# Altium PCB HRT_23D_EBS1.1.PcbDoc (part 1 of 2)
Units mil, origin at the board's own origin, x right, y up, seen from the top; angles counter-clockwise.
Board outline 4183.3 x 2955 mil, 2 copper layers (Top Layer, Bottom Layer); 109 components, 72 nets, 350 pads, 163 vias.
Unrouted connection lines stored in the file: 6.
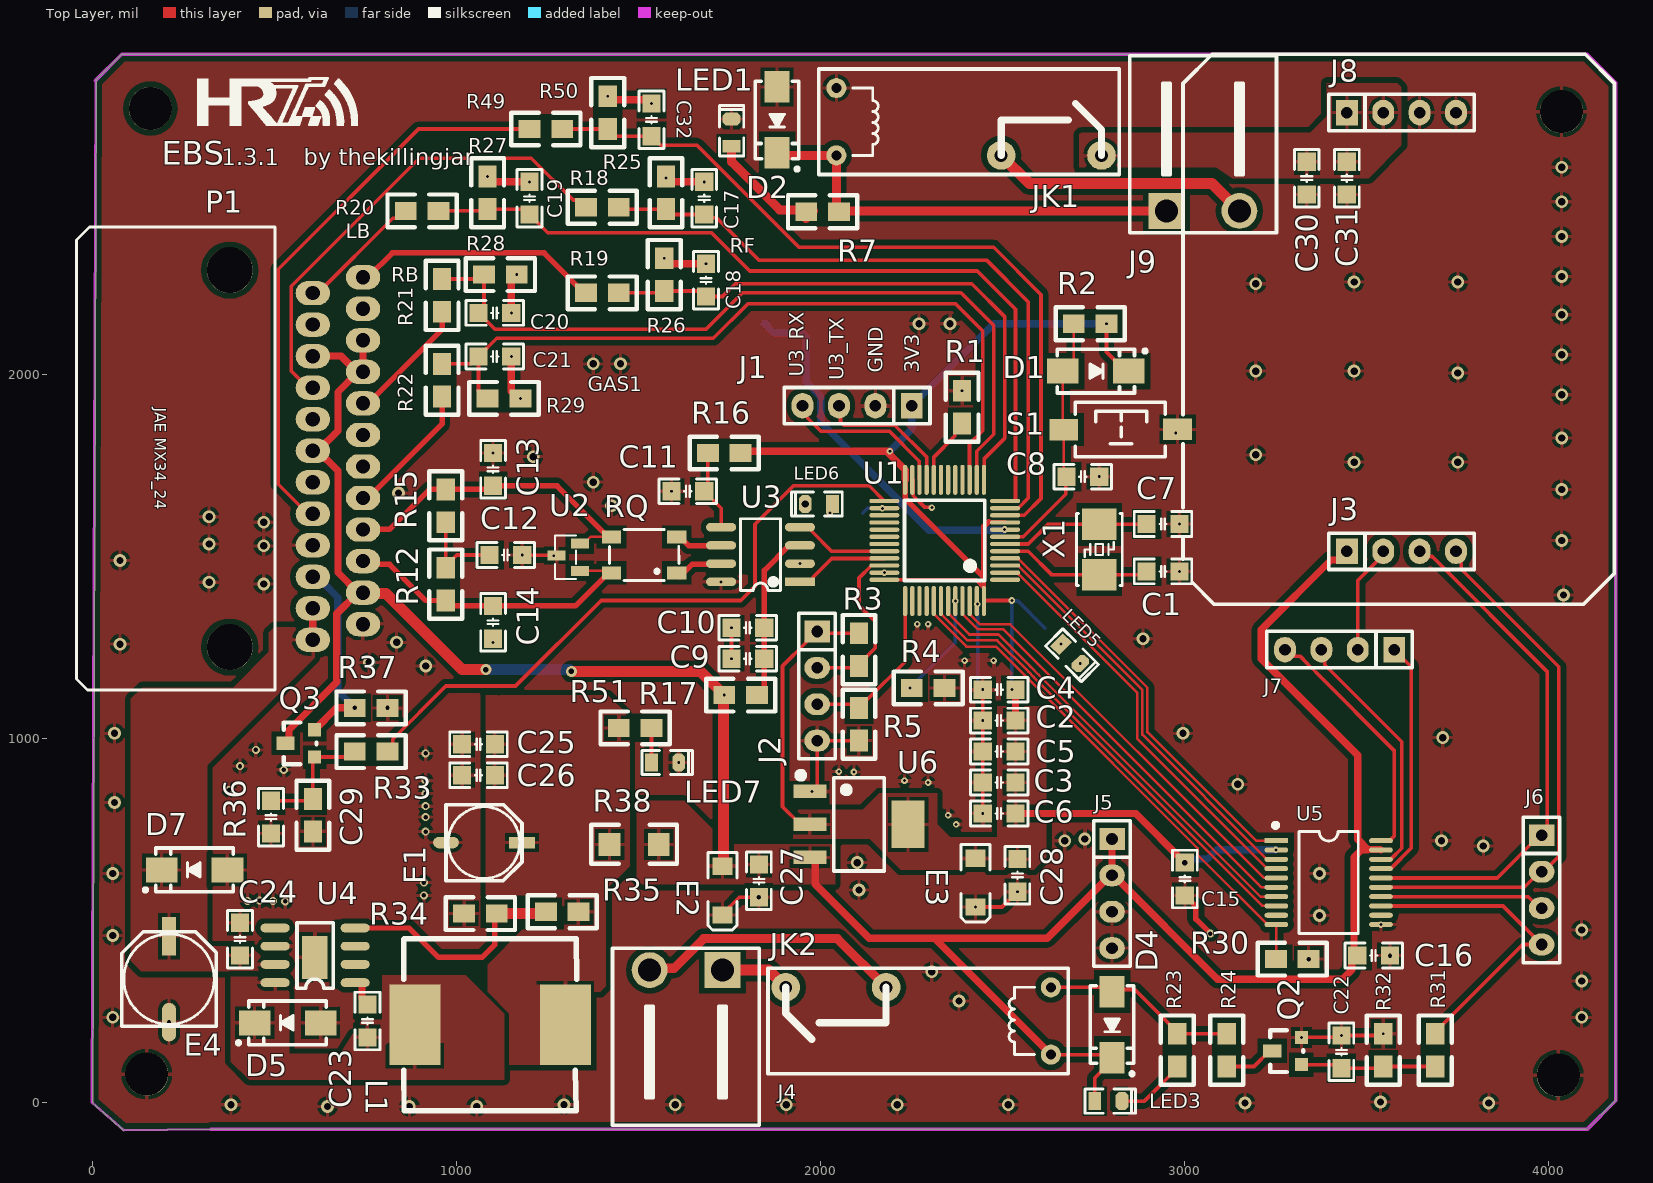
[diagram p0: Top Layer view]
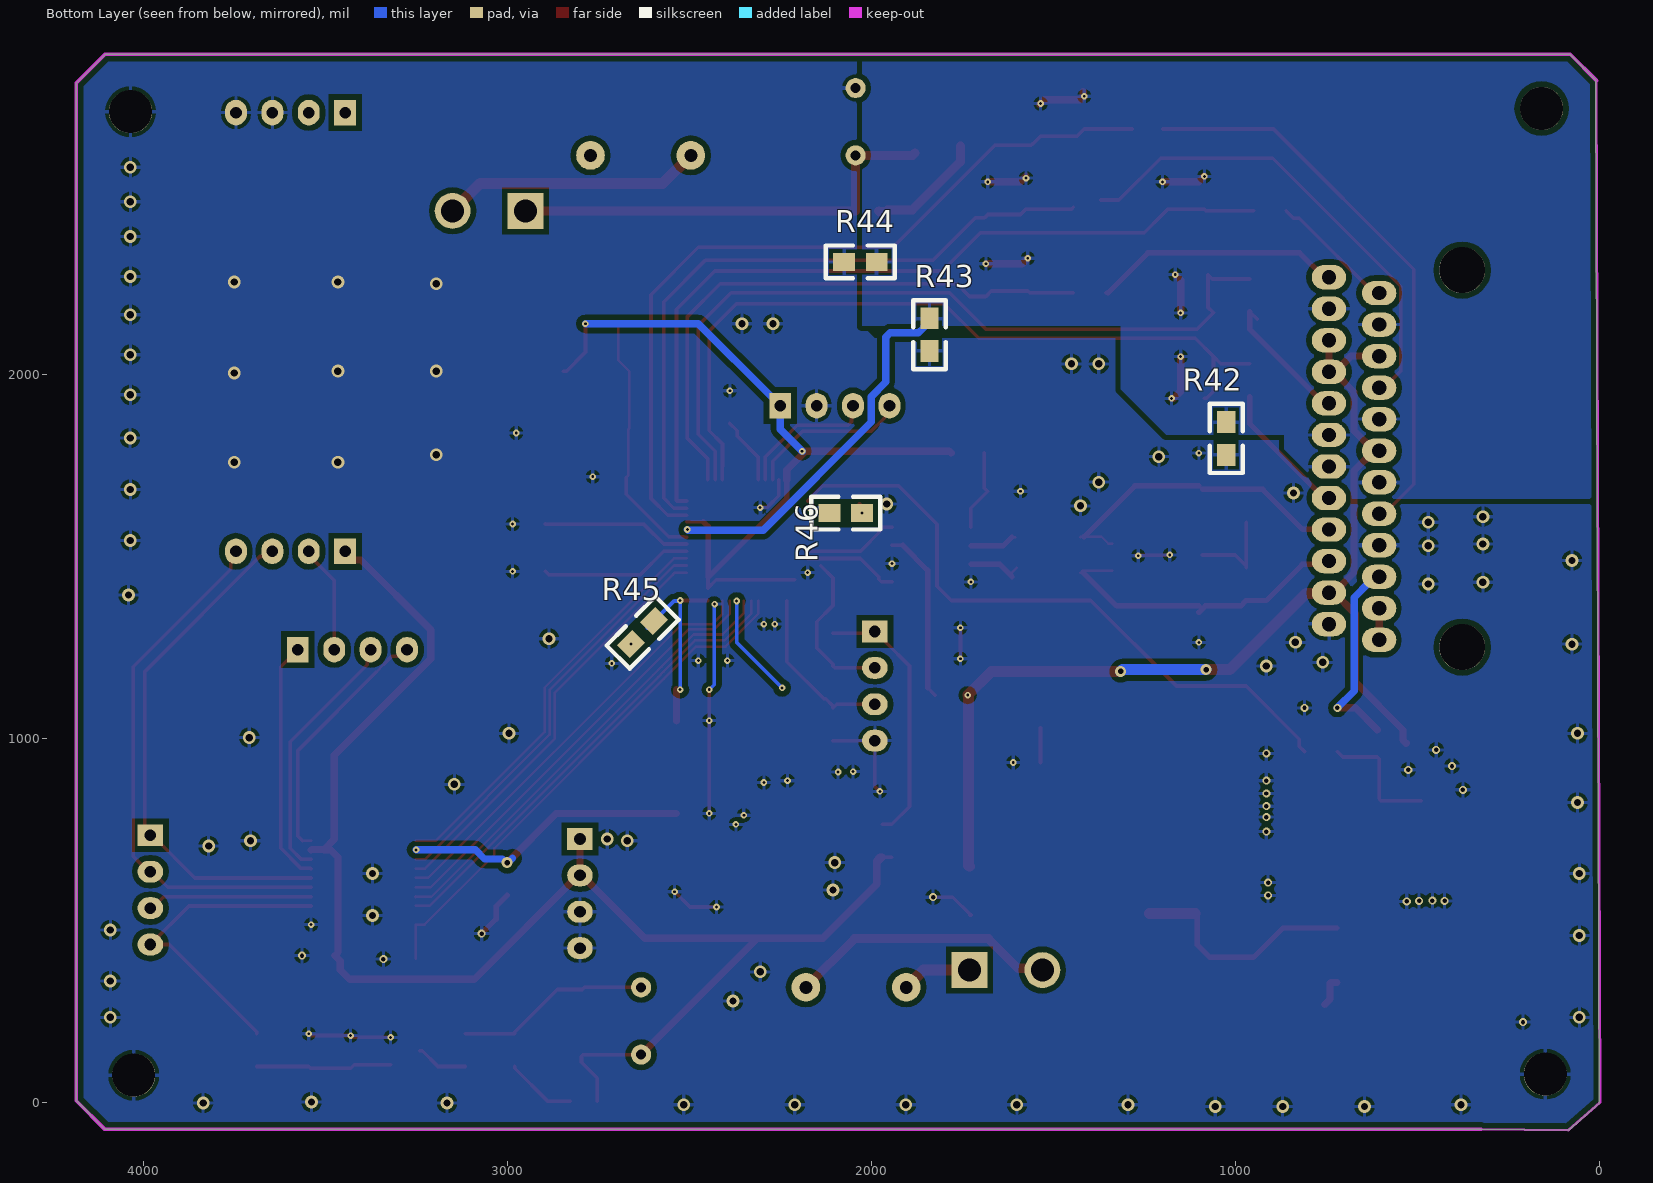
[diagram p1: Bottom Layer view, seen from below]

## Layer stack, top to bottom
Top Solder: solder mask 0.4, Solder Resist, Dk 3.5
Top Layer: signal copper 1.4
Dielectric 1: dielectric 12.6, FR-4, Dk 4.8
Bottom Layer: signal copper 1.4
Bottom Solder: solder mask 0.4, Solder Resist, Dk 3.5

## Board outline
0,0 85.04,-75 325.04,-72.76 4104.56,-72.76 4183.3,5.98 4183.3,2801.26 4104.56,2880 80.04,2880 10.04,2810

## Design rules (kind name [scope] priority, off if disabled: settings)
Clearance Clearance_10 [InNamedPolygon('GND_A_L02_P012')] p1: gap=10 ignorepadtopadclearanceinfootprint=FALSE except(0: Arc-Hole Track-Hole SMDPad-Hole THPad-Hole Via-Hole Fill-Hole Poly-Hole Region-Hole Text-Hole)
Clearance Clearance_9 [InNamedPolygon('GND_A_L02_P012')] p2: gap=10 ignorepadtopadclearanceinfootprint=FALSE except(0: Arc-Hole Track-Hole SMDPad-Hole THPad-Hole Via-Hole Fill-Hole Poly-Hole Region-Hole Text-Hole; 39.37: Arc-Fill Arc-Poly Arc-Region Track-Fill Track-Poly Track-Region)
Clearance Clearance_8 [InNamedPolygon('GND_A_L02_P012')] p3: gap=10 ignorepadtopadclearanceinfootprint=FALSE except(0: Arc-Fill Arc-Poly Arc-Region Arc-Hole Track-Fill Track-Poly Track-Region Track-Hole SMDPad-Hole THPad-Hole Via-Hole Fill-Fill Fill-Poly Fill-Region Fill-Hole Poly-Poly Poly-Region Poly-Hole Region-Region Region-Hole Text-Hole)
Clearance Clearance_7 [InNamedPolygon('VCC_5V_L01_P008')] p4: gap=10 ignorepadtopadclearanceinfootprint=FALSE except(0: Arc-Fill Arc-Poly Arc-Region Arc-Hole Track-Fill Track-Poly Track-Region Track-Hole SMDPad-Fill SMDPad-Poly SMDPad-Region SMDPad-Hole THPad-Fill THPad-Poly THPad-Region THPad-Hole Via-Fill Via-Poly Via-Region Via-Hole Fill-Hole Poly-Hole Region-Hole Text-Hole)
Clearance Clearance_6 [InNamedPolygon('VCC_3V3_L01_P009')] p5: gap=10 ignorepadtopadclearanceinfootprint=FALSE except(0: Arc-Fill Arc-Poly Arc-Region Arc-Hole Track-Fill Track-Poly Track-Region Track-Hole SMDPad-Fill SMDPad-Poly SMDPad-Region SMDPad-Hole THPad-Fill THPad-Poly THPad-Region THPad-Hole Via-Fill Via-Poly Via-Region Via-Hole Fill-Hole Poly-Hole Region-Hole Text-Hole)
Clearance Clearance_5 [InNamedPolygon('VCC_3V3_L01_P009')] p6: gap=10 ignorepadtopadclearanceinfootprint=FALSE except(0: Arc-Fill Arc-Poly Arc-Region Arc-Hole Track-Fill Track-Poly Track-Region Track-Hole SMDPad-Fill SMDPad-Poly SMDPad-Region SMDPad-Hole THPad-Fill THPad-Poly THPad-Region THPad-Hole Via-Fill Via-Poly Via-Region Via-Hole Fill-Hole Poly-Hole Region-Hole Text-Hole)
Clearance Clearance_4 [InNamedPolygon('VCC_3V3_L01_P009')] p7: gap=0 ignorepadtopadclearanceinfootprint=FALSE except(10: Arc-Arc Arc-Track Arc-SMDPad Arc-THPad Arc-Via Arc-Text Track-Track Track-SMDPad Track-THPad Track-Via Track-Text SMDPad-SMDPad SMDPad-THPad SMDPad-Via SMDPad-Text THPad-THPad THPad-Via THPad-Text Via-Via Via-Text Text-Text)
Clearance Clearance_3 [InNamedPolygon('VCC_5V_L01_P008')] p8: gap=0 ignorepadtopadclearanceinfootprint=FALSE except(10: Arc-Arc Arc-Track Arc-SMDPad Arc-THPad Arc-Via Arc-Text Track-Track Track-SMDPad Track-THPad Track-Via Track-Text SMDPad-SMDPad SMDPad-THPad SMDPad-Via SMDPad-Text THPad-THPad THPad-Via THPad-Text Via-Via Via-Text Text-Text)
Clearance Clearance_2 [InNamedPolygon('VCC_5V_L01_P008')] p9: gap=10 ignorepadtopadclearanceinfootprint=FALSE except(0: Arc-Fill Arc-Poly Arc-Region Arc-Hole Track-Fill Track-Poly Track-Region Track-Hole SMDPad-Fill SMDPad-Poly SMDPad-Region SMDPad-Hole THPad-Fill THPad-Poly THPad-Region THPad-Hole Via-Fill Via-Poly Via-Region Via-Hole Text-Hole)
Clearance Clearance_1 [InNamedPolygon('NONET_L-01_P-001')] p10: gap=10 ignorepadtopadclearanceinfootprint=FALSE except(0: Arc-Hole Track-Hole SMDPad-Hole THPad-Hole Via-Hole Fill-Hole Poly-Hole Region-Hole Text-Hole)
Clearance stm32 [InComponent('U1')] p11: gap=0 ignorepadtopadclearanceinfootprint=TRUE
Clearance [All] p12: gap=7 ignorepadtopadclearanceinfootprint=FALSE except(15: Arc-Poly Track-Poly SMDPad-Poly THPad-Poly Via-Poly Fill-Fill Fill-Poly Fill-Region Poly-Poly)
HoleSize [All] p1 off: absolutevalues=TRUE maxlimit=100 minlimit=1 maxpercent=80.000 minpercent=20.000
HoleToHoleClearance [All] p1 off: gap=10 allowstackedmicrovias=TRUE
MinimumSolderMaskSliver [All] p1 off: minsoldermaskwidth=10
PolygonConnect PolygonConnect_34 [All vs IsNamedPolygon('GND_L01_P005')] p1: connectstyle=Direct reliefconductorwidth=10 reliefentries=4 polygonreliefangle="90 Angle" airgapwidth=10
PolygonConnect PolygonConnect_33 [All vs IsNamedPolygon('GND_L01_P005')] p2: connectstyle=Direct reliefconductorwidth=10 reliefentries=4 polygonreliefangle="90 Angle" airgapwidth=10
PolygonConnect PolygonConnect_32 [All vs IsNamedPolygon('SOLENOID1_VSS_L01_P014')] p3: thpad.connectstyle=Direct thpad.reliefconductorwidth=10 thpad.reliefentries=4 thpad.polygonreliefangle="90 Angle" thpad.airgapwidth=10 smdpad.connectstyle=Relief smdpad.reliefconductorwidth=10 smdpad.reliefentries=4 smdpad.polygonreliefangle="90 Angle" smdpad.airgapwidth=10 via.connectstyle=Direct via.reliefconductorwidth=10 via.reliefentries=4 via.polygonreliefangle="90 Angle" via.airgapwidth=10
PolygonConnect PolygonConnect_31 [All vs IsNamedPolygon('SOLENOID1_VSS_L01_P014')] p4: connectstyle=Direct reliefconductorwidth=10 reliefentries=4 polygonreliefangle="90 Angle" airgapwidth=10
PolygonConnect PolygonConnect_30 [All vs IsNamedPolygon('SOLENOID1_VSS_L01_P014')] p5: thpad.connectstyle=Direct thpad.reliefconductorwidth=10 thpad.reliefentries=4 thpad.polygonreliefangle="90 Angle" thpad.airgapwidth=10 smdpad.connectstyle=Relief smdpad.reliefconductorwidth=10 smdpad.reliefentries=4 smdpad.polygonreliefangle="90 Angle" smdpad.airgapwidth=10 via.connectstyle=Relief via.reliefconductorwidth=10 via.reliefentries=4 via.polygonreliefangle="90 Angle" via.airgapwidth=10
PolygonConnect PolygonConnect_29 [All vs IsNamedPolygon('SOLENOID1_VSS_L01_P014')] p6: thpad.connectstyle=Relief thpad.reliefconductorwidth=10 thpad.reliefentries=4 thpad.polygonreliefangle="90 Angle" thpad.airgapwidth=10 smdpad.connectstyle=Relief smdpad.reliefconductorwidth=10 smdpad.reliefentries=4 smdpad.polygonreliefangle="90 Angle" smdpad.airgapwidth=10 via.connectstyle=Direct via.reliefconductorwidth=10 via.reliefentries=4 via.polygonreliefangle="90 Angle" via.airgapwidth=10
PolygonConnect PolygonConnect_28 [All vs IsNamedPolygon('GND_A_L02_P012')] p7: connectstyle=Direct reliefconductorwidth=10 reliefentries=4 polygonreliefangle="90 Angle" airgapwidth=10
PolygonConnect PolygonConnect_27 [All vs IsNamedPolygon('SOLENOID1_VSS_L01_P005')] p8: connectstyle=Relief reliefconductorwidth=10 reliefentries=4 polygonreliefangle="90 Angle" airgapwidth=10
PolygonConnect PolygonConnect_26 [All vs IsNamedPolygon('SOLENOID1_VSS_L01_P005')] p9: connectstyle=Direct reliefconductorwidth=10 reliefentries=4 polygonreliefangle="90 Angle" airgapwidth=10
PolygonConnect PolygonConnect_25 [All vs IsNamedPolygon('NONET_L-01_P-001')] p10: connectstyle=Direct reliefconductorwidth=10 reliefentries=4 polygonreliefangle="90 Angle" airgapwidth=10
PolygonConnect PolygonConnect_24 [All vs IsNamedPolygon('NONET_L-01_P-001')] p11: connectstyle=Direct reliefconductorwidth=10 reliefentries=4 polygonreliefangle="90 Angle" airgapwidth=10
PolygonConnect PolygonConnect_23 [All vs IsNamedPolygon('NONET_L-01_P-001')] p12: thpad.connectstyle=Direct thpad.reliefconductorwidth=10 thpad.reliefentries=4 thpad.polygonreliefangle="90 Angle" thpad.airgapwidth=10 smdpad.connectstyle=Direct smdpad.reliefconductorwidth=10 smdpad.reliefentries=4 smdpad.polygonreliefangle="90 Angle" smdpad.airgapwidth=10 via.connectstyle=Relief via.reliefconductorwidth=10 via.reliefentries=4 via.polygonreliefangle="90 Angle" via.airgapwidth=10
PolygonConnect PolygonConnect_22 [All vs IsNamedPolygon('NONET_L-01_P-001')] p13: connectstyle=Direct reliefconductorwidth=10 reliefentries=4 polygonreliefangle="90 Angle" airgapwidth=10
PolygonConnect PolygonConnect_21 [All vs IsNamedPolygon('NONET_L-01_P-001')] p14: connectstyle=Direct reliefconductorwidth=10 reliefentries=4 polygonreliefangle="90 Angle" airgapwidth=10
PolygonConnect PolygonConnect_20 [All vs IsNamedPolygon('NONET_L-01_P-001')] p15: connectstyle=Direct reliefconductorwidth=10 reliefentries=4 polygonreliefangle="90 Angle" airgapwidth=10
PolygonConnect PolygonConnect_19 [All vs IsNamedPolygon('NONET_L-01_P-001')] p16: connectstyle=Direct reliefconductorwidth=10 reliefentries=4 polygonreliefangle="90 Angle" airgapwidth=10
PolygonConnect PolygonConnect_18 [All vs IsNamedPolygon('GND_A_L02_P012')] p17: connectstyle=Direct reliefconductorwidth=10 reliefentries=4 polygonreliefangle="90 Angle" airgapwidth=10
PolygonConnect PolygonConnect_17 [All vs IsNamedPolygon('GND_A_L02_P012')] p18: thpad.connectstyle=Direct thpad.reliefconductorwidth=10 thpad.reliefentries=4 thpad.polygonreliefangle="90 Angle" thpad.airgapwidth=10 smdpad.connectstyle=Relief smdpad.reliefconductorwidth=10 smdpad.reliefentries=4 smdpad.polygonreliefangle="90 Angle" smdpad.airgapwidth=10 via.connectstyle=Relief via.reliefconductorwidth=10 via.reliefentries=4 via.polygonreliefangle="90 Angle" via.airgapwidth=10
PolygonConnect PolygonConnect_16 [All vs IsNamedPolygon('GND_A_L02_P012')] p19: connectstyle=Direct reliefconductorwidth=10 reliefentries=4 polygonreliefangle="90 Angle" airgapwidth=10
PolygonConnect PolygonConnect_15 [All vs IsNamedPolygon('GND_A_L02_P012')] p20: connectstyle=Direct reliefconductorwidth=10 reliefentries=4 polygonreliefangle="90 Angle" airgapwidth=10
PolygonConnect PolygonConnect_14 [All vs IsNamedPolygon('SOLENOID1_VSS_L02_P013')] p21: connectstyle=Direct reliefconductorwidth=10 reliefentries=4 polygonreliefangle="90 Angle" airgapwidth=10
PolygonConnect PolygonConnect_13 [All vs IsNamedPolygon('NONET_L01_P001') Or IsNamedPolygon('NETC23_2_L01_P002') Or IsNamedPolygon('NETC25_1_L01_P007') Or IsNamedPolygon('SOLENOID1_VSS_L01_P005') Or IsNamedPolygon('SOLENOID1_VSS_L01_P006') Or IsNamedPolygon('VCC_3V3_L01_P009') Or IsNamedPolygon('VCC_5V_L01_P008') Or IsNamedPolygon('VCC_24V_L01_P003')] p22: connectstyle=Direct reliefconductorwidth=10 reliefentries=4 polygonreliefangle="90 Angle" airgapwidth=10
PolygonConnect PolygonConnect_12 [All vs IsNamedPolygon('SOLENOID1_VSS_L01_P006')] p23: connectstyle=Direct reliefconductorwidth=10 reliefentries=4 polygonreliefangle="90 Angle" airgapwidth=10
PolygonConnect PolygonConnect_11 [All vs IsNamedPolygon('VCC_5V_L01_P008')] p24: connectstyle=Direct reliefconductorwidth=10 reliefentries=4 polygonreliefangle="90 Angle" airgapwidth=10
PolygonConnect PolygonConnect_10 [All vs IsNamedPolygon('VCC_3V3_L01_P009')] p25: connectstyle=Direct reliefconductorwidth=10 reliefentries=4 polygonreliefangle="90 Angle" airgapwidth=10
PolygonConnect PolygonConnect_9 [All vs IsNamedPolygon('SOLENOID1_VSS_L01_P005')] p26: connectstyle=Direct reliefconductorwidth=10 reliefentries=4 polygonreliefangle="90 Angle" airgapwidth=10
PolygonConnect PolygonConnect_8 [All vs IsNamedPolygon('GND_A_L02_P014')] p27: connectstyle=Direct reliefconductorwidth=10 reliefentries=4 polygonreliefangle="90 Angle" airgapwidth=10
PolygonConnect PolygonConnect_7 [All vs IsNamedPolygon('VCC_24V_L01_P003')] p28: connectstyle=Direct reliefconductorwidth=10 reliefentries=4 polygonreliefangle="90 Angle" airgapwidth=10
PolygonConnect PolygonConnect_6 [All vs IsNamedPolygon('VCC_24V_L01_P003')] p29: connectstyle=Relief reliefconductorwidth=10 reliefentries=4 polygonreliefangle="45 Angle" airgapwidth=5
PolygonConnect PolygonConnect_5 [All vs IsNamedPolygon('VCC_24V_L01_P003')] p30: thpad.connectstyle=Direct thpad.reliefconductorwidth=10 thpad.reliefentries=4 thpad.polygonreliefangle="90 Angle" thpad.airgapwidth=10 smdpad.connectstyle=Relief smdpad.reliefconductorwidth=10 smdpad.reliefentries=4 smdpad.polygonreliefangle="90 Angle" smdpad.airgapwidth=10 via.connectstyle=Relief via.reliefconductorwidth=10 via.reliefentries=4 via.polygonreliefangle="90 Angle" via.airgapwidth=10
PolygonConnect PolygonConnect_4 [All vs IsNamedPolygon('VCC_24V_L01_P003')] p31: connectstyle=Direct reliefconductorwidth=10 reliefentries=4 polygonreliefangle="90 Angle" airgapwidth=10
PolygonConnect PolygonConnect_3 [All vs IsNamedPolygon('VCC_24V_L01_P003')] p32: connectstyle=Relief reliefconductorwidth=10 reliefentries=4 polygonreliefangle="90 Angle" airgapwidth=10
PolygonConnect PolygonConnect_2 [All vs IsNamedPolygon('NONET_L01_P001')] p33: connectstyle=Relief reliefconductorwidth=10 reliefentries=4 polygonreliefangle="90 Angle" airgapwidth=10
PolygonConnect PolygonConnect_1 [All vs IsNamedPolygon('VCC_24V_L01_P003')] p34: connectstyle=Direct reliefconductorwidth=10 reliefentries=4 polygonreliefangle="90 Angle" airgapwidth=10
PolygonConnect [All] p35: connectstyle=Relief reliefconductorwidth=10 reliefentries=4 polygonreliefangle="90 Angle" airgapwidth=10
RoutingVias [All] p1: holewidth=8 width=18 viastyle="Through Hole" minholewidth=8 minwidth=18 maxholewidth=20 maxwidth=35
SilkToSilkClearance [All] p1 off: silktosilkclearance=10
SilkToSolderMaskClearance [IsPad] p1 off: minsilkscreentomaskgap=10 clearancetoexposedcopper=TRUE
SolderMaskExpansion [All] p1: expansion=4 istentingtop=FALSE
Width [All] p1: maxlimit=30 minlimit=7 preferedwidth=7
25 further rules are at their usual default settings.

## Components (designator, comment, footprint, x,y, rotation, side; value= is the part's Value field where it differs from the comment)
C1 "22pF" "C 0805_M" 2940.04,1460 r180 top
C2 "4.7uF" "C 0805_M" 2490.04,1050 r0 top
C3 "0.1uF" "C 0805_M" 2490.04,880 r0 top
C4 "0.1uF" "C 0805_M" 2490.04,1135 r0 top
C5 "0.1uF" "C 0805_M" 2490.04,965 r0 top
C6 "1uF" "C 0805_M" 2490.04,795.01 r0 top
C7 "22pF" "C 0805_M" 2940.04,1590 r180 top
C8 "0.1uF" "C 0805_M" 2720.04,1720 r180 top
C9 "0.1uF" "C 0805_M" 1800.04,1220 r0 top
C10 "10nF" "C 0805_M" 1800.04,1305 r0 top
C11 "0.1uF" "C 0805_M" 1635.04,1680 r0 top
C12 "4.7nF" "C 0805_M" 1135.04,1505 r180 top
C13 "47pF" "C 0805_M" 1100.03,1740.01 r90 top
C14 "47pF" "C 0805_M" 1100.04,1319.99 r270 top
C15 "0.1uF" "C 0805_M" 3000.04,615 r270 top
C16 "0.1uF" "C 0805_M" 3518.51,404.66 r0 top
C17 "0.1uF" "C 0805_M" 1680,2485 r90 top
C18 "0.1uF" "C 0805_M" 1685.04,2260 r90 top
C19 "0.1uF" "C 0805_M" 1200.03,2485.01 r90 top
C20 "0.1uF" "C 0805_M" 1105.04,2170 r0 top
C21 "0.1uF" "C 0805_M" 1105.04,2050.01 r0 top
C22 "0.1uF" "C 0805_M" 3430.04,140 r90 top
C23 "0.01uF" "C 0805_M" 755.04,224.99 r270 top
C24 "10nF" "C 0805_M" 404.99,450.01 r90 top
C25 "0.1uF" "C 0805_M" 1060,985 r180 top
C26 "1uF" "C 0805_M" 1060,900 r180 top
C27 "0.1uF" "C 0805_M" 1830.04,610 r270 top
C28 "0.1uF" "C 0805_M" 2540.04,625 r270 top
C29 "0.1uF" "C 0805_M" 490.04,785 r270 top
C30 "0.1uF" "C 0805_M" 3335.01,2539.99 r270 top
C31 "1uF" "C 0805_M" 3445,2540 r270 top
C32 "0.1uF" "C 0805_M" 1535,2700 r90 top
D1 "SS14" SMA 2755.59,2010 r0 top
D2 "SS14" SMA 1880,2700 r270 top
D4 "SS14" SMA 2800.04,215 r270 top
D5 "SS34" SMA 535.59,220 r180 top
D7 "SS14" SMA 280,640 r180 top
E1 "100uF/10V" "CM C(5*5.4)" 1075.04,715 r0 top
E2 "10uF/6.3V" "CD A(3216)" 1730.04,583.07 r90 top
E3 "10uF/6.3V" "CD A(3216)" 2425.04,605 r90 top
E4 "100uF/35V" "CM D(6.3*7.7)" 210,340 r90 top
J1 "Pin HDR1X4" "PIN HDR1X4/2.54MM-S" 2250.04,1915 r270 top
J2 "Pin HDR1X4" "PIN HDR1X4/2.54MM-S" 1990.04,1295 r0 top
J3 "Pin HDR1X4" FE-HDR1X4/2.54-S 3445,1515 r90 top
J4 "KF2EDGK-2P" KF2EDGK5.08W-2P 1730.04,365 r180 top
J5 "Pin HDR1X4" FE-HDR1X4/2.54-S 2800.04,725 r0 top
J6 "Pin HDR1X4" FE-HDR1X4/2.54-S 3980.04,735 r0 top
J7 "Pin HDR1X4" FE-HDR1X4/2.54-S 3575.04,1245 r270 top
J8 "Pin HDR1X4" FE-HDR1X4/2.54-S 3445,2720 r90 top
J9 "KF2EDGK-2P" KF2EDGK5.08W-2P 2950,2450 r0 top
JK1 "HF46F/24-HS1" HF46-XX-HS1 2405,2695 r0 top
JK2 "HF46F/5-HS1" HF46-XX-HS1 2270.04,225 r180 top
L1 "10uH" "SMD 12*12*8MM" 885.04,215 r0 top
LED1 "红色" "LED 0805R" 1755,2665 r90 top
LED3 "绿色" "LED 0805G" 2790.04,5 r0 top
LED5 "白色" "LED 0805W" 2686.45,1233.55 r315 top
LED6 "黄色" "LED 0805Y" 1995,1645 r180 top
LED7 "白色" "LED 0805W" 1572.6,935 r0 top
P1 "JAE_MX340_24" "JAE_MX34_2.2_24 - DUPLICATE" 605.04,2224.45 r0 top
Q2 "NPN" SOT-23 3285.04,140 r90 top
Q3 "NPN" SOT-23 575.04,985 r90 top
R1 "10K" 0805R 2388.35,1956 r270 top
R2 "20K" 0805R 2695.04,2140 r0 top
R3 "10K" 0805R 2105.04,1200 r90 top
R4 "10K" 0805R 2105.04,995 r90 top
R5 "10K" 0805R 2340.04,1140 r180 top
R7 "10K" 0805R 1960,2447.86 r0 top
R12 "60R" 0805R 970.04,1470 r270 top
R15 "60R" 0805R 970.04,1685 r270 top
R16 "0R" 0805R 1780.04,1785 r180 top
R17 "0R" 0805R 1735.04,1120 r0 top
R18 "20K" 0805R 1445,2460 r180 top
R19 "20K" 0805R 1445.04,2225 r180 top
R20 "20K" 0805R 950.04,2450 r180 top
R21 "20K" 0805R 960.04,2263.01 r270 top
R22 "6K8" 0805R 960.04,2030 r270 top
R23 "1K" 0805R 2979.04,100 r90 top
R24 "0R" 0805R 3115.04,190 r270 top
R25 "30K" 0805R 1575,2545 r270 top
R26 "30K" 0805R 1570.04,2320 r270 top
R27 "30K" 0805R 1085.04,2545 r270 top
R28 "30K" 0805R 1165.04,2275 r180 top
R29 "3K3" 0805R 1175.04,1935 r180 top
R30 "10K" 0805R 3340.04,395 r180 top
R31 "3K3" 0805R 3688.04,100 r90 top
R32 "1K" 0805R 3545.04,190 r270 top
R33 "2K2" 0805R 720.04,965 r0 top
R34 "3.24K" 0805R 1020.04,520 r0 top
R35 "10K" 0805R 1245.04,525 r0 top
R36 "1K" 0805R 605.04,745 r90 top
R37 "100R" 0805R 810.04,1085 r180 top
R38 "0R" 1206R 1555.04,710 r180 top
R42 "0R" 0805R 1025.04,1780 r90 bottom
R43 "0R" 0805R 1840,2065 r90 bottom
R44 "0R" 0805R 2075.04,2310 r180 bottom
R45 "1K" 0805R 2660,1260 r135 bottom
R46 "1K" 0805R 2025,1620 r0 bottom
R49 "6K8" 0805R 1290,2675 r180 top
R50 "3K3" 0805R 1415,2765 r270 top
R51 "1K" 0805R 1535,1030 r180 top
RQ "ACT45B" 4532 1515.04,1505 r180 top
S1 "SWITCH" "TSW SMD-3*6*2.5" 2825.04,1850 r0 top
U1 "STM32F103C8T6" "LQFP48 7X7" 2340.04,1545 r90 top
U2 "NUP2105LT1G" SOT-23-3P 1259.52,1498.8 r90 top
U3 "TJA1042T/3" SOP8 1942.97,1431.22 r180 top
U4 "TPS5430" SOP8-PAD 720.04,330 r180 top
U5 "TXS0108E" SSOP20 3395.04,605 r0 top
U6 "AMS1117-3V3" SOT223_M 2105.04,765 r270 top
X1 "8MHz" "OSC 5032-2P" 2765.04,1520 r90 top

## Footprints (in the part's own frame and the unit in brackets; to place one, negate y for a bottom-side part, rotate by r counter-clockwise, add the part's x,y. Pads: shape width x height; smd on the part's side, far side on the other; paste and mask are expansions set on the pad)
0805R [mil]
  rect 60x50 smd: 1(0,0) 2(90,0)
  silkscreen extent -50,-45 140,45, body extent 1,-25 80,25, height 15
1206R [mil]
  rect 60x62.99 smd: 1(0,0) 2(135,0)
  silkscreen extent -50,-54 185,53, body extent 7,-31 133,31, height 24
4532 [mm] "ACT45B封装"
  rect 1.35x0.9 smd: 1(-2.275,1.25) 2(-2.275,-1.25) 3(2.275,-1.25) 4(2.275,1.25)
  silkscreen extent -2.42,-1.78 2.41,1.78, body extent -2.25,-1.65 2.25,1.53, height 2.56
"C 0805_M" [mil] "无极性贴片电容"
  rect 50x50 smd: 1(-45.01,-0.01) 2(45,0)
  silkscreen extent -79,-34 79,34, body extent -39,-24 39,24, height 20
"CD A(3216)" [mm] "长3.2mm，宽1.6mm，厚1.6mm"
  rect 1.2x1.4 smd: 1(-1.7,0) 2(1.7,0)
  silkscreen extent -2.74,-1.02 2.67,1.02, body extent -1.6,-0.8 1.6,0.8, height 1.6
"CM C(5*5.4)" [mm] "贴片电解电容，直径5mm，高5.4mm"
  rect 1.8x0.8 smd: 1(2.65,0)
  oval 1.8x0.8 smd: 2(-2.65,0)
  silkscreen extent -2.65,-2.65 2.65,2.65, body extent -2.95,-2.65 2.95,2.65, height 5.4
"CM D(6.3*7.7)" [mm] "贴片电解电容，直径6.3mm，高7.7mm"
  rect 2.7x1 smd: 1(3,0)
  oval 2.7x1 smd: 2(-3,0)
  silkscreen extent -3.3,-3.3 3.3,3.3, body extent -3.5,-3.3 3.5,3.3, height 7.7
FE-HDR1X4/2.54-S [mil]
  rect 70x60 hole 32: 1(0,0)
  oval 70x60 hole 32: 2(0,-100) 3(0,-200) 4(0,-300)
  silkscreen extent -50,-350 50,50, body extent -44,-355 54,55, height 335
HF46-XX-HS1 [mm] "一组常开，长：20.5mm，宽：7mm，高：15.3mm"
  round 1.4 hole 0.7: 1(-9.2,2.35) 2(-9.2,-2.35)
  round 2 hole 0.9: 3(2.3,-2.35) 4(9.3,-2.35)
  silkscreen extent -10.41,-3.68 10.54,3.68, body extent -10.25,-3.5 10.25,3.5, height 15.3
"JAE_MX34_2.2_24 - DUPLICATE" [mm]
  oval 2.4x1.7 hole 1: 1(3.5,-23.1) 1(3.5,-23.1) 2(3.5,-20.9) 3(3.5,-18.7) 4(3.5,-16.5) 5(3.5,-14.3) 6(3.5,-12.1) 7(3.5,-9.9) 8(3.5,-7.7) 9(3.5,-5.5) 10(3.5,-3.3) 11(3.5,-1.1) 12(3.5,1.1) 13(0,-24.2) 13(0,-24.2) 14(0,-22) 15(0,-19.8) 16(0,-17.6) 17(0,-15.4) 18(0,-13.2) 19(0,-11) 20(0,-8.8) 21(0,-6.6) 22(0,-4.4) 23(0,-2.2) 24(0,0)
  round 3.2 hole 3.2 unplated: 25(-5.8,1.6) 26(-5.8,-24.7)
  silkscreen extent -16.5,-27.7 -2.65,4.6, body extent -22.88,-27.84 3.84,4.47, height 16.05
KF2EDGK5.08W-2P [mm]
  rect 2.5x2.5 hole 1.6: 1(0,0)
  round 2.5 hole 1.6: 2(5.08,0)
  silkscreen extent -2.57,-1.52 7.67,10.82, body extent -2.54,-0.57 7.62,10.73, height 8.5
"LED 0805G" [mil] "绿色0805LED"
  rect 35x50 smd: 1(-37.4,0)
  oct 35x50 smd: 2(37.4,0)
  silkscreen extent -64,-33 75,33, body extent -39,-25 39,25, height 32
"LED 0805R" [mil] "红色0805LED"
  rect 35x50 smd: 1(-37.41,0)
  oct 35x50 smd: 2(37.4,0)
  silkscreen extent -64,-33 75,33, body extent -39,-25 39,25, height 32
"LED 0805W" [mil] "白色0805LED"
  rect 35x50 smd: 1(-37.4,0)
  oct 35x50 smd: 2(37.4,0)
  silkscreen extent -64,-33 75,33, body extent -39,-25 39,25, height 32
"LED 0805Y" [mil] "黄色0805LED"
  rect 35x50 smd: 1(-37.4,0)
  oct 35x50 smd: 2(37.4,0)
  silkscreen extent -64,-33 75,33, body extent -39,-25 39,25, height 32
"LQFP48 7X7" [mm]
  oval 0.3x2.1 smd: 1(-2.75,-4.227) 2(-2.25,-4.227) 3(-1.75,-4.227) 4(-1.25,-4.227) 5(-0.75,-4.227) 6(-0.25,-4.227) 7(0.25,-4.227) 8(0.75,-4.227) 9(1.25,-4.227) 10(1.75,-4.227) 11(2.25,-4.227) 12(2.75,-4.227) 25(2.75,4.202) 26(2.25,4.202) 27(1.75,4.202) 28(1.25,4.202) 29(0.75,4.202) 30(0.25,4.202) 31(-0.25,4.202) 32(-0.75,4.202) 33(-1.25,4.202) 34(-1.75,4.202) 35(-2.25,4.202) 36(-2.75,4.202)
  oval 2.1x0.3 smd: 13(4.227,-2.75) 14(4.227,-2.25) 15(4.227,-1.75) 16(4.227,-1.25) 17(4.227,-0.75) 18(4.227,-0.25) 19(4.227,0.25) 20(4.227,0.75) 21(4.227,1.25) 22(4.227,1.75) 23(4.227,2.25) 24(4.227,2.75) 37(-4.227,2.75) 38(-4.227,2.25) 39(-4.227,1.75) 40(-4.227,1.25) 41(-4.227,0.75) 42(-4.227,0.25) 43(-4.227,-0.25) 44(-4.227,-0.75) 45(-4.227,-1.25) 46(-4.227,-1.75) 47(-4.227,-2.25) 48(-4.227,-2.75)
  silkscreen extent -2.79,-2.79 2.79,2.79, body extent -4.51,-4.5 4.5,4.5, height 1.45
"OSC 5032-2P" [mm] "5mm*3.2mm*0.8mm(长*宽*高)"
  rect 2.2x2.4 smd: 1(-1.75,0) 2(1.75,0)
  silkscreen extent -2.5,-1.6 2.5,1.6, body extent -2.5,-1.6 2.5,1.6, height 0.86
"PIN HDR1X4/2.54MM-S" [mil]
  rect 70x60 hole 32: 1(0,0)
  oval 70x60 hole 32: 2(0,-100) 3(0,-200) 4(0,-300)
  silkscreen extent -50,-350 50,50, body extent -50,-350 50,50, height 336
SMA [mm] "4.5x2.6*2.2mm（长宽高，不包括引脚）"
  rect 2.2x1.75 smd: 1(-2.3,0) 2(2.3,0)
  silkscreen extent -2.7,-1.52 3.56,1.52, body extent -2.53,-1.3 2.58,1.3, height 2.15
"SMD 12*12*8MM" [mil]
  rect 140x220.5 smd: 1(0,0) 2(413.4,0)
  silkscreen extent -30,-236 445,236
SOP8 [mm]
  rect 2.1x0.6 smd: 1(0,0)
  oval 2.1x0.6 smd: 2(0,-1.27) 3(0,-2.54) 4(0,-3.81) 5(5.5,-3.81) 6(5.5,-2.54) 7(5.5,-1.27) 8(5.5,0)
  silkscreen extent 1.35,-4.41 4.15,0.6, body extent -0.21,-4.4 5.8,0.6, height 1.9
SOP8-PAD [mil]
  oval 80x24 smd: 1(-1.24,-0.45) 2(-1.24,-50.45) 3(-1.24,-100.45) 4(-1.24,-150.45) 5(218.76,-150.45) 6(218.76,-100.45) 7(218.76,-50.45) 8(218.76,-0.45)
  rect 70.87x118.11 smd: 9(110,-70)
  silkscreen extent 59,-165 159,15, body extent -8,-177 228,20, height 75
SOT223_M [mm] "6.4x7x1.6mm(长宽高)"
  rect 0.95x2.3 smd: 1(-2.3,-3.429) 2(0,-3.429) 3(2.3,-3.429)
  rect 3.3x2.3 smd: 2(0,3.429)
  silkscreen extent -3.63,-4.26 3.25,1.75, body extent -3.25,-3.51 3.25,3.51, height 1.65
SOT-23 [mil]
  rect 36x36 smd: B(-35,-35) E(40,-35)
  rect 36x50 smd: C(3,45)
  silkscreen extent -55,-40 60,50, body extent -54,-48 60,62, height 47
SOT-23-3P [mm]
  rect 0.7x1.25 smd: 1(-0.95,-2) 2(0.95,-2) 3(0.127,-0.381)
  silkscreen extent -1.53,-1.73 1.53,-0.27, body extent -1.4,-2.27 1.5,0.23, height 1
SSOP20 [mm] "7.2*7.8*1.6（长宽高）"
  rect 1.65x0.35 smd: 1(-3.65,2.925)
  oval 1.65x0.35 smd: 2(-3.65,2.275) 3(-3.65,1.625) 4(-3.65,0.975) 5(-3.65,0.325) 6(-3.65,-0.325) 7(-3.65,-0.975) 8(-3.65,-1.625) 9(-3.65,-2.275) 10(-3.65,-2.925) 11(3.65,-2.925) 12(3.65,-2.275) 13(3.65,-1.625) 14(3.65,-0.975) 15(3.65,-0.325) 16(3.65,0.325) 17(3.65,0.975) 18(3.65,1.625) 19(3.65,2.275) 20(3.65,2.925)
  silkscreen extent -3.83,-3.56 2.06,4.13, body extent -3.85,-3.6 3.85,3.6, height 1.65
"TSW SMD-3*6*2.5" [mm] "3*6*2.5mm"
  rect 2x1.5 smd: 1(-3.996,-0.02) 2(3.937,0)
  silkscreen extent -3.21,-1.9 3.09,1.9, body extent -4,-1.88 4,1.62, height 2.59

## Part data
C1 C2 C3 C4 C5 C6 C7 C8 C9 C10 C11 C12 C13 C14 C15 C16 C17 C18 C19 C20 C21 C22 C23 C24 C25 C26 C27 C28 C29 C30 C31 C32: library part C, "无极性贴片电容"
D1 D2 D4 D5 D7: "肖特基二极管", BOM名称=肖特基二极管, 学习资源=www.ooocke.com, 版权归属=源创客
  D1 D2 D4 D7: 属性=40V/1A
  D5: 属性=40V/3A
E1 E4: library part C-CM, "贴片电解电容 / ESR < 0.04R", BOM名称=贴片电解电容, 学习资源=www.ooocke.com, 版权归属=源创客
E2 E3: library part C-CD, "贴片钽电容", BOM名称=贴片钽电容, 学习资源=www.ooocke.com, 版权归属=源创客
JK1: "24V一组常开继电器", BOM名称=24V继电器, 学习资源=www.ooocke.com, 版权归属=源创客
JK2: "5V一组常开", BOM名称=5V继电器, 学习资源=www.ooocke.com, 版权归属=源创客
L1: library part L-CD, "贴片功率电感", BOM名称=功率电感, 学习资源=www.ooocke.com, 版权归属=源创客
LED1 LED3 LED5 LED6 LED7: library part LED-SMD, "贴片LED", BOM名称=贴片LED, 学习资源=www.ooocke.com, 版权归属=源创客
P1: library part JAE_MX34024NF1
Q2 Q3: "NPN三极管"
R1 R2 R3 R4 R5 R7 R12 R15 R16 R17 R18 R19 R20 R21 R22 R23 R24 R25 R26 R27 R28 R29 R30 R31 R32 R33 R34 R35 R36 R37 R38 R42 R43 R44 R45 R46 R49 R50 R51: library part RES, "贴片电阻"
RQ: "共模电感"
S1: "按键"
U2: "静电管"
U3: "高速CAN收发器"
U4: "DCDC降压芯片"
U6: library part AMS1117, "三端稳压芯片", BOM名称=稳压芯片, 学习资源=www.ooocke.com, 版权归属=源创客
X1: library part XTAL-2P, "两脚无源晶振"

## Free pads (board coordinates)
  round 118.11 hole 118.11: 1(148.74,78.82) 1(158.81,2731.26) 1(4025.76,75.98) 1(4034.56,2722.45)

## Via types
v1: diameter 35, hole 20, Top Layer to Bottom Layer, 74 vias
v2: diameter 18, hole 8, Top Layer to Bottom Layer, 63 vias
v3: diameter 22, hole 12, Top Layer to Bottom Layer, 23 vias
v4: diameter 30, hole 15, Top Layer to Bottom Layer, 3 vias

## Nets (pads, with @x,y where several pads share a name; then routed paths per layer and width w, separated by ;. In a path a pad name is that pad's centre, name@x,y a point inside that pad or via, vN(x,y) a via of type N, cw(c..) or ccw(c..) an arc to the next point about the centre after c; other vN are vias at no path point)
A\S\_\m\o\d\e\_\3\V\3\: U1.3 U5.3 | length 1151.3
  Top Layer w7: U1.3@2506.45,1476.1 2541.77,1476.1 2883.42,1134.46 2883.42,1011.3 3225.75,668.98 U5.3@3251.34,668.98
A\S\_\m\o\d\e\_\5\V\: J7.3 U5.18 | length 707
  Top Layer w10: J7.3@3375.04,1245 3384.6,1235.43 3384.6,1203.44 3596.11,991.93 3596.11,699.63 3566.17,669.7 3539.46,669.7 U5.18@3538.74,668.98
actuator_IN: C30.1 C31.1 J8.1 J8.2 JK1.4
b\r\a\k\e\1\_\3\V\3\: U1.2 U5.4 | length 1156.6
  Top Layer w7: U1.2@2506.45,1456.42 2540.59,1456.42 2544.29,1452.71 2544.29,1451.2 2869.42,1126.07 2869.42,999.71 3225.75,643.39 U5.4@3251.34,643.39
b\r\a\k\e\1\_\5\V\: J7.1 U5.17 | length 671.2
  Top Layer w10: U5.17@3538.74,643.39 3539.46,644.11 3566.17,644.11 3622.05,699.99 3622.05,1197.98 J7.1@3575.04,1245
b\r\a\k\e\2\_\3\V\3\: U1.43 U5.7 | length 1257.7
  Top Layer w7: U1.43@2349.88,1378.58 2350.04,1378.43 2350.04,1345 2408.5,1286.53 2487.95,1286.53 2575.98,1198.5 2598.54,1175.95 3208.22,566.26 U5.7@3250.98,566.26
  Top Layer w10: U5.7@3250.98,566.26 U5.7@3251.34,566.61
b\r\a\k\e\2\_\5\V\: J6.3 U5.14 | length 454.4
  Top Layer w10: U5.14@3538.74,566.61 3801.65,566.61 3943.01,566.61 3974.63,535 J6.3@3980.04,535
brake_control1_3V3: U1.46 U5.5 | length 1177.2
  Top Layer w7: U1.46@2408.93,1378.58 2408.93,1343.26 2437.67,1314.53 2520.5,1314.53 3216.2,618.84 3250.29,618.84 U5.5@3250.61,618.52
brake_control1_5V: J3.3 J6.1 U5.16 | length 1432.7
  Top Layer w10: U5.16@3538.74,617.8 3857.83,617.8 3975.04,735 J6.1@3980.04,735 3995,749.96 3995,1185 3679.32,1500.68 3659.32,1500.68 J3.3@3645,1515
brake_control2_3V3: U1.45 U5.6 | length 1208.6
  Top Layer w7: U1.45@2389.25,1378.58 2389.25,1343.15 2431.87,1300.53 2501.71,1300.53 3210.04,592.2 U5.6@3251.34,592.2